# Altium PCB power2pix_pcb_v2.PcbDoc
Units mm, origin at the board's own origin, x right, y up, seen from the top; angles counter-clockwise.
Board outline 86.99 x 69.85 mm, 2 copper layers (Top Layer, Bottom Layer); 75 components, 37 nets, 190 pads, 29 vias.
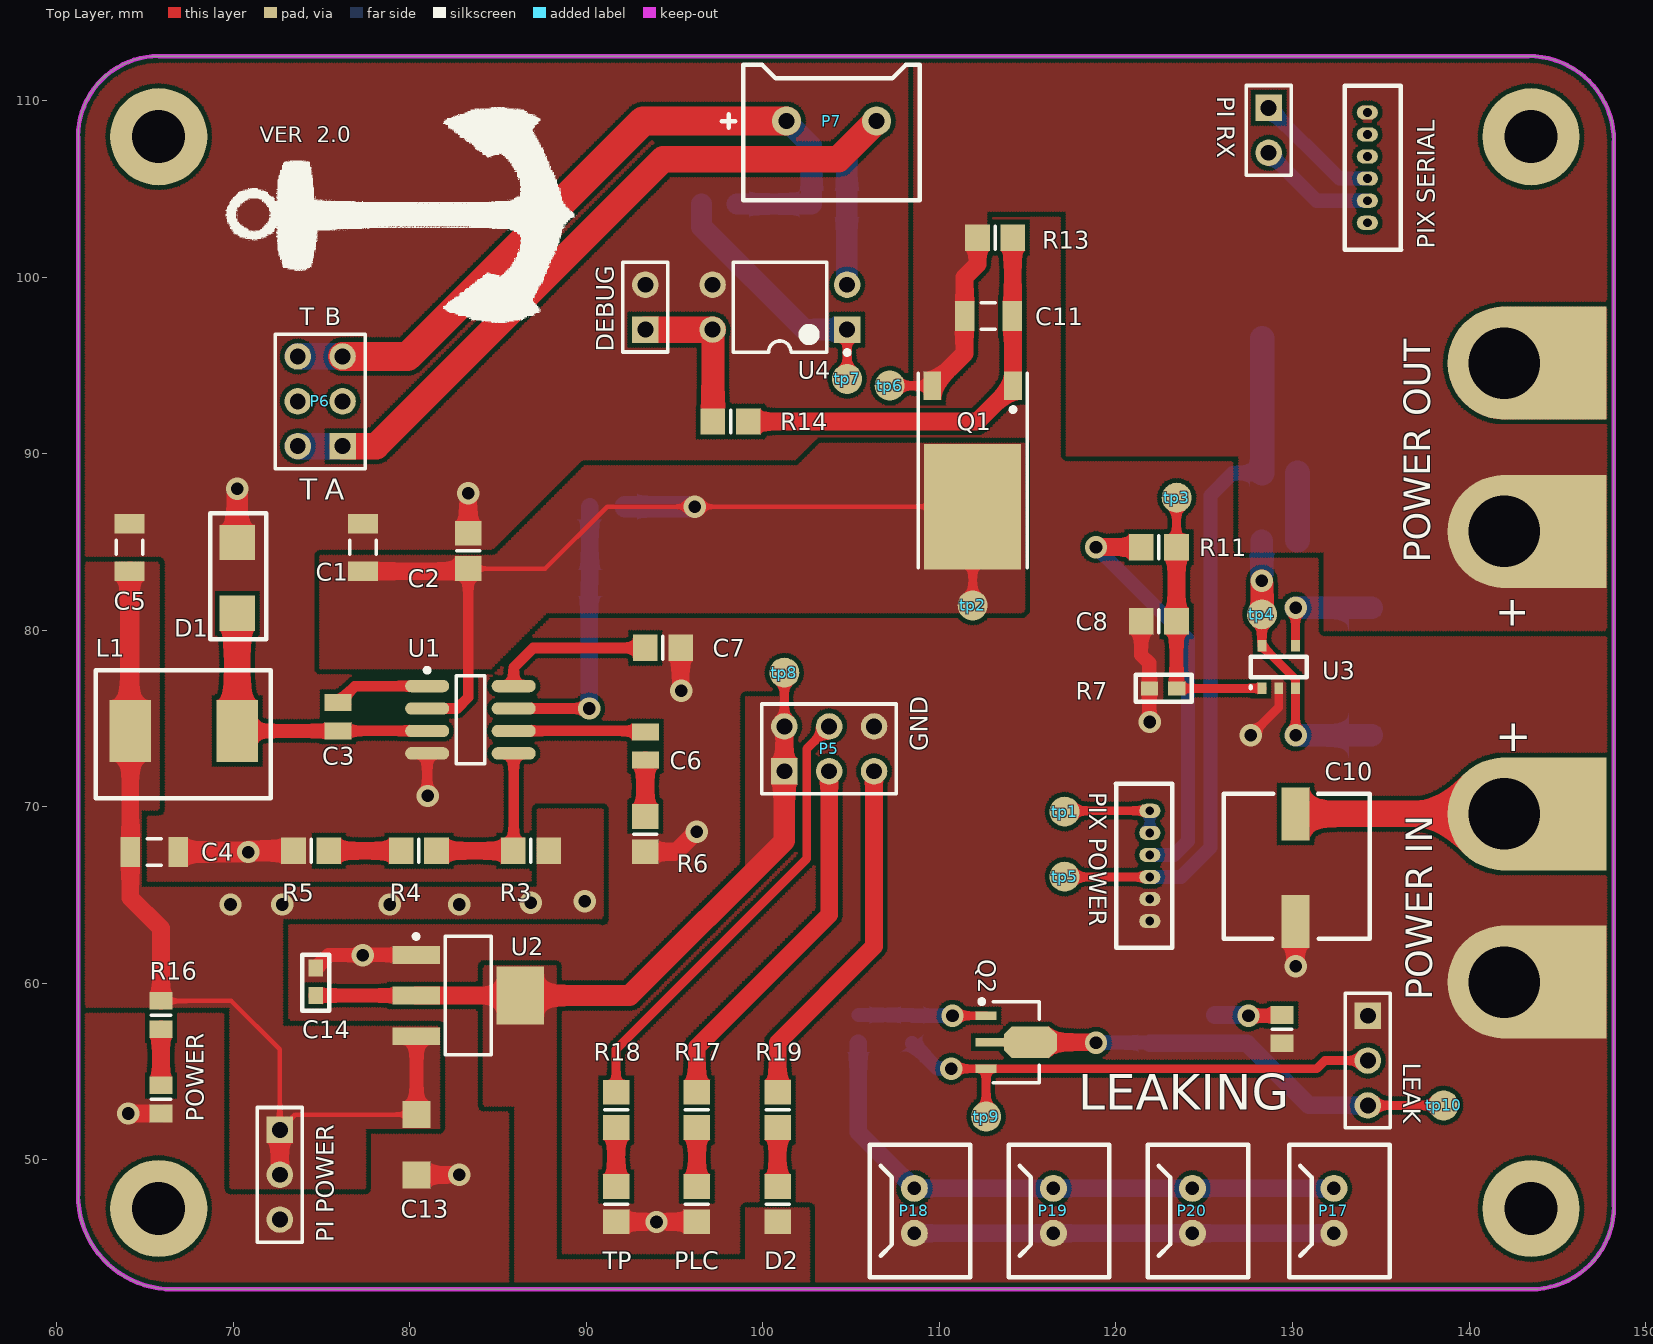
[diagram p0: Top Layer view]
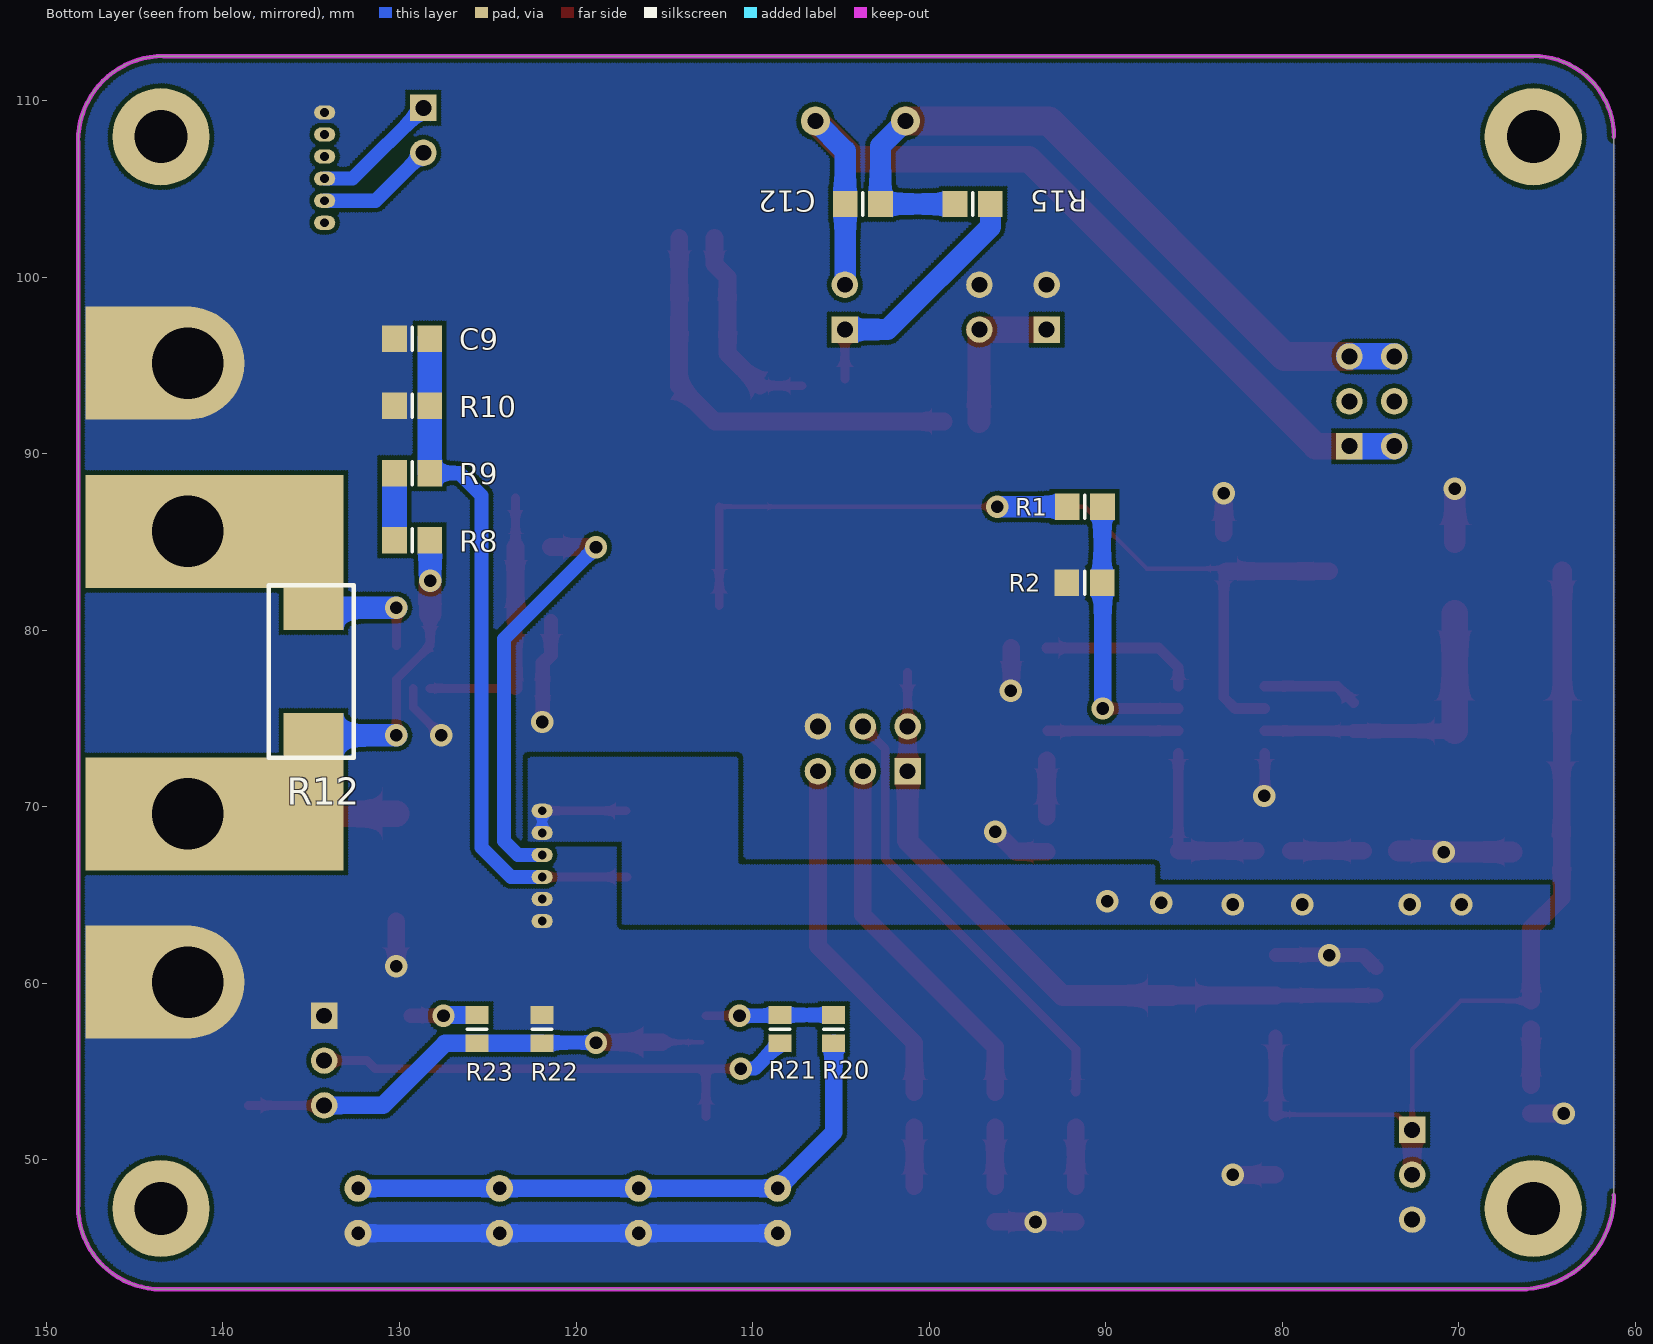
[diagram p1: Bottom Layer view, seen from below]

## Layer stack, top to bottom
Top Solder: solder mask 0.0102, Solder Resist, Dk 3.5
Top Layer: signal copper 0.0356
Dielectric 1: dielectric 0.32, FR-4, Dk 4.8
Bottom Layer: signal copper 0.0356
Bottom Solder: solder mask 0.0102, Solder Resist, Dk 3.5

## Board outline
61.214,48.006 61.214,107.95 cw(c65.786,107.95) 65.786,112.522 143.383,112.522 cw(c143.383,107.696) 148.209,107.696 148.209,47.371 cw(c143.51,47.371) 143.51,42.672 66.548,42.672 cw(c66.548,48.006)

## Design rules (kind name [scope] priority, off if disabled: settings)
Clearance [All] p1: gap=0.254
PolygonConnect [All] p1: connectstyle=Direct reliefconductorwidth=0.254 reliefentries=4 polygonreliefangle="90 Angle" airgapwidth=0.254
RoutingVias [All] p1: holewidth=0.711 width=1.27 viastyle="Through Hole" minholewidth=0.711 minwidth=1.27 maxholewidth=0.711 maxwidth=1.27
SolderMaskExpansion [All] p1: expansion=0.102
Width [All] p1: maxlimit=2 minlimit=0.254 preferedwidth=0.254
30 further rules are at their usual default settings.

## Classes and differential pairs
component class power2pix_v2: C1 C2 C3 C4 C5 C6 C7 C8 C9 C10 C11 C12 C13 C14 D1 L1 Power Q1 R1 R2 R3 R4 R5 R6 R7 R8 R9 R10 R11 R12 R13 R14 R15 R16 tp1 tp2 tp3 tp4 tp5 tp6 tp7 tp8 U1 U2 U3 U4
component class power2pix_leakmodule_v2: LEAK LEAKING P17 P18 P19 P20 Q2 R20 R21 R22 R23 tp9 tp10
component class power2pix_connector_v2: D2 DEBUG P5 P6 P7 "Pi Power" "PI RX" "Pix Power" "Pix Serial" PLC "Power In" "POWER OUT" "Power Output" R17 R18 R19 TP

## Components (designator, comment, footprint, x,y, rotation, side; value= is the part's Value field where it differs from the comment)
C1 "Cap" C1206 77.343,84.691 r270 top
C2 "Cap" 6-0805_M 83.312,84.491 r270 top
C3 "Cap" 0603 75.946,74.295 r90 top
C4 "Cap" C1206 65.532,67.437 r180 top
C5 "Cap" C1206 64.135,84.691 r270 top
C6 "Cap" 0603 93.345,72.644 r90 top
C7 "Cap" 6-0805_M 94.345,78.994 r180 top
C8 "Cap" 6-0805_M 122.428,80.518 r0 top
C9 "Cap" 6-0805_M 129.286,96.52 r180 bottom
C10 "Cap Pol2" 220UF-35V 130.175,69.596 r270 top
C11 "Cap" C1206 112.776,97.79 r0 top
C12 "Cap" 6-0805_M 103.759,104.14 r0 bottom
C13 "Cap" 1206 80.361,49.099 r90 top
C14 "Cap" my0603 74.676,60.864 r270 top
D1 "1n5824" 1N5824 70.231,84.963 r270 top
D2 "LED0" 6-0805_M 100.838,47.498 r90 top
DEBUG "Header 2" HDR1X2 93.345,97.028 r90 top
L1 "Inductor" 0630 70.231,74.295 r180 top
LEAK "Header 3" HDR1X3 134.266,58.166 r270 top
LEAKING "LED0" 6-0805_L 129.413,57.404 r270 top
P5 "Header 3X2" HDR2X3 101.219,72.011 r0 top locked
P6 "Header 3X2" HDR2X3 76.2,90.424 r90 top locked
P7 "Header 2" ConnectorBlue 106.446,108.839 r180 top
P17 "Header 2" headerX2 132.349,45.847 r90 top
P18 "Header 2" headerX2 108.585,45.847 r90 top
P19 "Header 2" headerX2 116.459,45.847 r90 top
P20 "Header 2" headerX2 124.333,45.847 r90 top
"PI POWER" "Header 3" HDR1X3 72.644,51.698 r270 top (schematic designator "Pi Power")
"PI RX" "Header 2" HDR1X2 128.651,109.581 r270 top
"PIX POWER" "Header 6" 1.25_6PIN 121.92,69.772 r270 top (schematic designator "Pix Power")
"PIX SERIAL" "Header 6" 1.25_6PIN 134.239,103.077 r90 top (schematic designator "Pix Serial")
PLC "LED0" 6-0805_M 96.266,47.498 r270 top
POWER "LED0" 6-0805_L 65.913,53.429 r270 top (schematic designator Power)
"POWER IN" "+" 1.25-4S 141.986,69.596 r270 top locked (schematic designator "Power In")
"POWER OUT" "+" 1.25-4S 141.986,85.598 r90 top locked (schematic designator "Power Output")
Q1 "IRFR5305" TO-252AA 111.887,90.42 r180 top
Q2 "PNP S8550" SOT89L 114.349,56.666 r0 top
R1 "Res2" 6-0805_M 91.186,86.995 r0 bottom
R2 "Res2" 6-0805_M 91.202,82.677 r180 bottom
R3 "Res2" 6-0805_M 86.868,67.503 r180 top
R4 "Res2" 6-0805_M 80.518,67.503 r0 top
R5 "Res2" 6-0805_M 74.422,67.503 r0 top
R6 "Res2" 6-0805_M 93.345,68.453 r90 top
R7 "Res2" my0603 121.889,76.708 r0 top
R8 "Res2" 6-0805_M 129.286,85.09 r180 bottom
R9 "Res2" 6-0805_M 129.286,88.9 r0 bottom
R10 "Res2" 6-0805_M 129.286,92.71 r180 bottom
R11 "Res2" 6-0805_M 122.428,84.709 r180 top
R12 "Res2" 2512 134.874,74.419 r90 bottom
R13 "Res2" 6-0805_M 113.157,102.235 r0 top
R14 "Res2" 6-0805_M 98.171,91.821 r180 top
R15 "Res2" 6-0805_M 97.536,104.14 r0 bottom
R16 "Res2" 6-0805_L 65.913,58.204 r90 top
R17 "Res2" 6-0805_M 96.266,52.832 r90 top
R18 "Res2" 6-0805_M 91.694,52.832 r90 top
R19 "Res2" 6-0805_M 100.838,52.832 r270 top
R20 "Res2" 6-0805_L 105.41,57.404 r270 bottom
R21 "Res2" 6-0805_L 108.458,57.404 r90 bottom
R22 "Res2" 6-0805_L 121.92,57.404 r90 bottom
R23 "Res2" 6-0805_L 125.603,57.404 r270 bottom
TP "LED0" 6-0805_M 91.694,47.498 r270 top
tp1 "tp" testpoint 117.094,69.723 r0 top
tp2 "tp" testpoint 111.887,81.407 r0 top
tp3 "tp" testpoint 123.444,87.503 r0 top
tp4 "tp" testpoint 128.27,80.899 r0 top
tp5 "tp" testpoint 117.094,66.04 r0 top
tp6 "tp" testpoint 107.188,93.853 r0 top
tp7 "tp" testpoint 104.775,94.234 r0 top
tp8 "tp" testpoint 101.219,77.597 r0 top
tp9 "tp" TestPoint 112.649,52.451 r0 top
tp10 "tp" TestPoint 138.557,53.086 r90 top
U1 "MP1593DN" SO8_M 83.439,74.93 r0 top
U2 "AMS1117-3.3" SOT223_M 83.312,59.309 r0 top
U3 "INA169" SOT23-5 130.17,76.708 r180 top
U4 "PC817" DIP-4 100.965,98.298 r180 top

## Footprints (in the part's own frame and the unit in brackets; to place one, negate y for a bottom-side part, rotate by r counter-clockwise, add the part's x,y. Pads: shape width x height; smd on the part's side, far side on the other; paste and mask are expansions set on the pad)
1.25-4S [mm]
  round 6.4 hole 4.05: 1(0,0) 2(9.525,0)
1.25_6PIN [mm]
  oval 0.8x1.2 hole 0.5: 1(0,0) 2(1.25,0) 3(2.5,0) 4(3.75,0) 5(5,0) 6(6.25,0)
  silkscreen extent -1.52,-1.93 7.75,1.27
1N5824 [mm]
  rect 2x2 smd: 1(0,0) 2(4,0)
  silkscreen extent -1.65,-1.52 5.46,1.65
6-0805_L [mm] "Chip Resistor, Body 2.0x1.2mm, IPC High Density"
  rect 1x1.3 smd: 1(-0.8,0) 2(0.8,0)
  silkscreen extent 0,-0.55 0,0.55, body extent -1.07,-0.7 1.07,0.7, height 0.7
6-0805_M [mm] "Chip Resistor, Body 2.0x1.2mm, IPC Low Density"
  rect 1.4x1.5 smd: 1(-1,0) 2(1,0)
  silkscreen extent 0,-0.65 0,0.65, body extent -1.07,-0.7 1.07,0.7, height 0.7
220UF-35V [mm]
  rect 3x1.6 smd: 1(0,0) 2(6.096,0)
  silkscreen extent -1.14,-4.06 7.06,4.19
0603 [mm]
  rect 0.965x1.524 smd: 1(0,0) 2(1.6,0)
0630 [mm]
  rect 2.35x3.5 smd: 1(0,0) 2(6.05,0)
  silkscreen extent -1.91,-3.43 8,3.81
1206 [mm]
  rect 1.52x1.6 smd: 1(0.05,-0.03) 2(3.47,-0.03)
2512 [mm]
  rect 1.8x3.4 smd: 1(0,0) 2(6.48,0)
  silkscreen extent -1.65,-2.29 8.13,2.54
C1206 [mm] "Chip Capacitor, Body 3.2x1.6mm, IPC High Density"
  rect 1.1x1.7 smd: 1(-1.35,0) 2(1.35,0)
  silkscreen extent -0.4,-0.75 0.4,0.75, body extent -1.7,-0.9 1.7,0.9, height 1.3
ConnectorBlue [mm]
  round 1.65 hole 0.9: 1(0,0) 2(5.1,0)
  silkscreen extent -2.45,-3.18 8.76,4.48
DIP-4 [mm] "DIP; 4 Leads; Row Spacing 7.62 mm; Pitch 2.54 mm"
  rect 1.5x1.5 hole 0.9: 1(-3.81,1.27)
  round 1.5 hole 0.9: 2(-3.81,-1.27) 3(3.81,-1.27) 4(3.81,1.27)
  silkscreen extent -3.94,-2.55 2.65,2.69, body extent -3.15,-2.5 3.15,2.5, height 5.6
HDR1X2 [mm] "Connector; Header; 2 Position"
  rect 1.5x1.5 hole 0.9: 1(0,0)
  round 1.5 hole 0.9: 2(2.54,0)
  silkscreen extent -1.27,-1.27 3.81,1.27
HDR1X3 [mm] "Connector; Header; 3 Position"
  rect 1.5x1.5 hole 0.9: 1(0,0)
  round 1.5 hole 0.9: 2(2.54,0) 3(5.08,0)
  silkscreen extent -1.27,-1.27 6.35,1.27
HDR2X3 [mm] "Connector; Header; 3x2 Position"
  rect 1.5x1.5 hole 0.9: 1(0,0)
  round 1.5 hole 0.9: 2(0,2.54) 3(2.54,0) 4(2.54,2.54) 5(5.08,0) 6(5.08,2.54)
  silkscreen extent -1.27,-1.27 6.35,3.81
headerX2 [mil]
  round 60 hole 30: 1(0,0) 2(100,0)
  silkscreen extent -98,-124 198,100
my0603 [mm]
  rect 0.965x0.8 smd: 1(0,0) 2(1.555,0)
  silkscreen extent -0.76,-0.76 2.41,0.76
SO8_M [mm] "SOIC, 8-Leads, Body 4.9x3.9mm, Pitch 1.27mm, IPC Low Density"
  oval 2.5x0.7 smd: 1(-2.45,1.905) 2(-2.45,0.635) 3(-2.45,-0.635) 4(-2.45,-1.905) 5(2.45,-1.905) 6(2.45,-0.635) 7(2.45,0.635) 8(2.45,1.905)
  silkscreen extent -2.57,-2.5 0.8,2.93, body extent -2,-2.5 2,2.5, height 1.75
SOT23-5 [mm]
  rect 0.5x0.65 smd: 1(1.9,0) 2(0.95,0) 3(0,0) 4(0,-2.413) 5(1.9,-2.413)
  silkscreen extent -0.63,-1.78 2.54,0
SOT89L [mm] "SOT89, 3-Leads, Body 4.5x2.4 mm, Pitch 1.5mm, Lead Span 4.1mm, IPC High Density"
  rect 1.2x0.5 smd: 1(-1.7,1.5) 3(-1.7,-1.5)
  rect 1.6x0.5 smd: 2(-1.5,0)
  oct 3x1.8 smd: 2(0.8,0)
  silkscreen extent -2.07,-2.3 1.3,2.42, body extent -1.3,-2.3 1.3,2.3, height 1.6
SOT223_M [mm] "SOT223, 4-Leads, Body 6.5x3.5mm, Pitch 2.3mm, Lead Span 7mm, IPC Low Density"
  rect 2.7x1 smd: 1(-2.95,2.3) 2(-2.95,0) 3(-2.95,-2.3)
  rect 2.7x3.3 smd: 4(2.95,0)
  silkscreen extent -3.07,-3.35 1.3,3.47, body extent -1.85,-3.35 1.85,3.35, height 1.7
testpoint [mm]
  round 1.7 smd: 1(0,0)
TestPoint [mm]
  round 1.7 smd: 1(0,0)
TO-252AA [mm] "D-PAK/TO-252-AA; 3 Leads (1 Cropped); Body 10.4 (inc. leads) x 6.7 mm (LxW max)"
  rect 1x1.6 smd: 1(-2.285,-3.425) 3(2.285,-3.425)
  rect 5.5x7.1 smd: 4(0,3.425)
  silkscreen extent -3.09,-4.13 3.09,6.88

## Part data
C1 C2 C3 C4 C5 C6 C7 C8 C9 C11 C12 C13 C14: "Capacitor"
C10: "Polarized Capacitor (Axial)"
D1: library part Diode, "Default Diode"
D2 LEAKING PLC POWER TP: "Typical INFRARED GaAs LED"
DEBUG P7 P17 P18 P19 P20 "PI RX": "Header, 2-Pin"
LEAK "PI POWER": "Header, 3-Pin"
P5 P6: "Header, 3-Pin, Dual row"
"PIX POWER" "PIX SERIAL": "Header, 6-Pin"
"POWER IN" "POWER OUT": library part "Header 2", "Header, 2-Pin"
Q1: library part PMOS-2, "P-Channel Power MOSFET"
Q2: library part PNP, "PNP Bipolar Transistor"
R1 R2 R3 R4 R5 R6 R7 R8 R9 R10 R11 R12 R13 R14 R15 R16 R17 R18 R19 R20 R21 R22 R23: "Resistor"
U4: library part Optoisolator1, "4-Pin Phototransistor Optocoupler"

## Free pads (board coordinates)
  round 5.5 hole 3: 0(143.51,107.95) 1(143.51,47.244) 2(65.786,107.95) 3(65.786,47.244)
  rect 6x6.4 smd: 4(144.78,95.123) 5(144.78,85.598) 6(144.78,69.596) 7(144.78,60.071)
  rect 6x6.4 smd far side: 8(144.78,95.123) 9(144.78,85.598) 10(144.78,69.596) 11(144.78,60.071)
  rect 3.4x7 smd far side: 12(134.874,84.836) 15(134.874,70.866)
  rect 9x6.4 smd far side: 13(137.668,85.598) 14(137.668,69.596)

## Via types
v1: diameter 1.27, hole 0.711, Top Layer to Bottom Layer, 29 vias

## Nets (pads, with @x,y where several pads share a name; then routed paths per layer and width w, separated by ;. In a path a pad name is that pad's centre, name@x,y a point inside that pad or via, vN(x,y) a via of type N, cw(c..) or ccw(c..) an arc to the next point about the centre after c; other vN are vias at no path point)
GND: "PI POWER.3" "PIX POWER.5" "PIX POWER.6" "PIX SERIAL.6" "POWER IN.2" "POWER OUT.2" C1.1 C2.1 C4.1 C5.1 C7.1 C8.1 C9.1 C10.2 C13.1 C14.1 D1.1 DEBUG.2 LEAK.1 LEAKING.2 P5.6 P17.1 P18.1 P19.1 P20.1 pad.4 pad.7 pad.8 pad.11 PLC.2 POWER.2 R2.1 R5.1 R6.1 R7.1 R10.1 R22.2 TP.2 U1.4 U2.1 U3.2 U4.3 | length 70.7
  Top Layer w0.254: C4.1@66.882,67.564 C4.1@67.009,67.437 ; v1(70.866,67.437) v1@70.932,67.503 ; R5.1@73.361,67.564 R5.1 ; v1(77.343,61.595) v1@77.357,61.609 ; v1@80.989,70.649 v1(81.026,70.612) ; TP.2 TP.2@91.71,46.482 ; v1@95.345,76.613 v1(95.377,76.581) ; v1@96.234,68.58 v1(96.266,68.58) ; v1@121.889,74.834 v1(121.92,74.803)
  Top Layer w0.5: v1(127.635,74.041) 129.22,75.626 U3.2
  Top Layer w0.6: v1@80.989,70.649 U1.4
  Top Layer w0.8: C14.1 75.407,61.595 v1(77.343,61.595) ; v1@77.357,61.609 U2.1 ; C8.1 121.428,78.597 121.889,78.136 R7.1 v1@121.889,74.834
  Top Layer w1: v1(64.059,52.629) POWER.2 ; C13.1 v1(82.804,49.149) ; C2.1 v1(83.312,87.757) ; TP.2 PLC.2 ; R6.1 95.107,67.453 v1@96.234,68.58 ; v1@95.345,76.613 C7.1 ; v1(130.175,60.96) C10.2
  Top Layer w1.2: C4.1@67.009,67.437 v1(70.866,67.437) ; D1.1 v1(70.231,88.011) ; v1@70.932,67.503 R5.1
  Bottom Layer w1: P18.1 P19.1 P20.1 P17.1
  other v1: 93.98,46.482
NetC1_2: C1.2 C2.2 Q1.4 R1.2 tp2.1 U1.2 | length 55.5
  Top Layer w0.254: C2.2@83.162,83.341 C2.2 87.682,83.491 91.186,86.995 v1(96.139,86.995) Q1.4
  Top Layer w0.5: tp2.1 Q1.4
  Top Layer w0.6: U1.2 82.677,75.565 83.312,76.2 C2.2
  Top Layer w1: C1.2 C2.2@83.162,83.341
  Bottom Layer w1.2: R1.2 v1(96.139,86.995)
NetC3_1: C3.1 D1.2 L1.1 U1.3 | length 17.4
  Top Layer w0.6: C3.1 U1.3
  Top Layer w0.8: L1.1 C3.1
  Top Layer w1.5: L1.1 D1.2
NetC3_2: C3.2 U1.1 | length 5.4
  Top Layer w0.6: C3.2 76.886,76.835 U1.1
NetC4_2: "PI POWER.1" "PI POWER.2" "PIX POWER.1" "PIX POWER.2" C4.2 C5.2 C13.2 L1.2 R3.1 R16.2 tp1.1 U2.3 | length 58.7
  Top Layer w0.254: L1.2@64.135,74.341 L1.2 ; C4.2@64.181,67.565 C4.2@64.182,67.564 ; R16.2 69.901,59.004 72.644,56.261 72.644,51.698 73.515,52.569 C13.2 ; U2.3 U2.3@80.391,56.98 ; tp1.1@117.094,69.85 tp1.1@117.172,69.772
  Top Layer w0.5: tp1.1@117.172,69.772 121.92,69.772
  Top Layer w0.8: C13.2 U2.3@80.391,56.98
  Top Layer w1: C4.2@64.181,67.565 L1.2 ; C4.2@64.182,67.564 C4.2 64.182,64.85 65.913,63.119 R16.2 ; 72.644,49.158 72.644,51.698
  Top Layer w1.1: L1.2@64.135,74.341 C5.2
  Bottom Layer w0.5: 121.92,68.522 121.92,69.772
  other v1: 69.85,64.465 72.771,64.465 78.867,64.465 82.804,64.465 86.868,64.554 89.916,64.643
NetC6_1: C6.1 R6.2 | length 3.2
  Top Layer w1: R6.2 C6.1
NetC6_2: C6.2 U1.6 | length 7.5
  Top Layer w0.254: C6.2@93.294,74.295 C6.2
  Top Layer w0.6: U1.6 C6.2@93.294,74.295
NetC7_2: C7.2 U1.8 | length 9
  Top Layer w0.6: U1.8 85.889,77.888 86.995,78.994 C7.2
NetC8_2: C8.2 R7.2 R11.1 tp3.1 U3.1 | length 15.6
  Top Layer w0.254: R7.2@123.428,76.724 R7.2 ; tp3.1@123.428,87.487 tp3.1
  Top Layer w0.5: R11.1 tp3.1@123.428,87.487 ; R7.2 U3.1
  Top Layer w0.8: R7.2@123.428,76.724 C8.2
  Top Layer w1: C8.2 R11.1
NetC9_2: "PIX POWER.4" C9.2 R9.1 R10.2 tp5.1 | length 40
  Top Layer w0.254: tp5.1 tp5.1@117.112,66.022
  Top Layer w0.5: tp5.1@117.112,66.022 121.92,66.022
  Bottom Layer w0.8: 121.92,66.022 123.68,66.022 125.349,67.691 125.349,87.63 126.619,88.9 R9.1
  Bottom Layer w1.4: R9.1 R10.2 C9.2
NetC10_1: "POWER IN.1" C10.1 pad.6 pad.10 pad.14 pad.15 R8.2 R12.1 tp4.1 U3.3 U3.5 | length 31.3
  Top Layer w0.254: v1@130.17,74.046 v1(130.175,74.041) ; pad.6@141.986,69.596 pad.6
  Top Layer w0.5: tp4.1 U3.5 130.17,77.221 U3.3 v1@130.17,74.046
  Top Layer w1.27: tp4.1 v1(128.27,82.804)
  Top Layer w1.5: C10.1 pad.6@141.986,69.596
  Bottom Layer w0.254: R8.2@128.27,85.074 R8.2 ; pad.15@134.496,74.041 R12.1
  Bottom Layer w1.27: v1(128.27,82.804) R8.2@128.27,85.074 ; v1(130.175,74.041) pad.15@134.496,74.041
NetC11_1: "POWER OUT.1" C11.1 pad.5 pad.9 pad.12 pad.13 Q1.3 R12.2 R13.1 tp6.1 U3.4 | length 18.9
  Top Layer w0.254: tp6.1 tp6.1@107.196,93.845 ; v1@130.17,81.275 v1(130.175,81.28)
  Top Layer w0.5: tp6.1@107.196,93.845 Q1.3 ; U3.4 v1@130.17,81.275
  Top Layer w1: Q1.3 111.426,95.669 C11.1 111.426,99.996 112.157,100.727 R13.1
  Bottom Layer w0.254: R12.2@134.493,81.28 R12.2
  Bottom Layer w1.27: v1(130.175,81.28) R12.2@134.493,81.28
NetC11_2: C11.2 Q1.1 R13.2 R14.1 | length 24.3
  Top Layer w0.254: C11.2 C11.2@114.157,97.821 ; C11.2@114.172,97.709 C11.2@114.284,97.821
  Top Layer w1: R14.1 112.148,91.821 Q1.1 C11.2@114.172,97.709 ; C11.2@114.157,97.821 R13.2
NetC14_2: C14.2 D2.1 P5.1 P5.2 tp8.1 U2.2 U2.4 | length 39.7
  Top Layer w0.5: P5.2 tp8.1
  Top Layer w0.8: C14.2 U2.2
  Top Layer w1: U2.2 U2.4 ; P5.1 P5.2
  Top Layer w1.2: U2.4 92.456,59.309 101.219,68.072 P5.1
NetD2_2: D2.2 R19.2 | length 3.3
  Top Layer w1: D2.2 R19.2
NetDEBUG_1: DEBUG.1 R14.2 U4.4 | length 9
  Top Layer w0.254: U4.4 U4.4@97.171,97.012
  Top Layer w1.3: R14.2 U4.4@97.171,97.012
  Top Layer w1.5: DEBUG.1 U4.4
NetLEAKING_1: LEAKING.1 R23.1 | length 3.8
  Top Layer w0.254: LEAKING.1@129.375,58.166 LEAKING.1
  Top Layer w0.8: v1(127.508,58.166) LEAKING.1@129.375,58.166
  Bottom Layer w0.254: v1@127.47,58.204 v1(127.508,58.166)
  Bottom Layer w1: R23.1 v1@127.47,58.204
NetP5_5: P5.5 R19.1 | length 20.6
  Top Layer w0.254: R19.1@100.711,53.959 R19.1
  Top Layer w1: R19.1 100.838,56.642 106.299,62.103 P5.5
"NetPI RX_1": "PI RX.1" "PIX SERIAL.3" | length 7.2
  Bottom Layer w0.8: 128.651,109.581 132.655,105.577 134.239,105.577
"NetPI RX_2": "PI RX.2" "PIX SERIAL.2" | length 6.7
  Bottom Layer w0.8: 128.651,107.041 131.365,104.327 134.239,104.327
"NetPix Power_3": "PIX POWER.3" R11.2 | length 23.8
  Top Layer w1: v1(118.872,84.709) R11.2
  Bottom Layer w0.8: v1(118.872,84.709) 124.079,79.502 124.079,68.072 123.279,67.272 121.92,67.272
NetPLC_1: PLC.1 R17.1 | length 3.3
  Top Layer w1: PLC.1 R17.1
NetPower_1: POWER.1 R16.1 | length 3.2
  Top Layer w1: POWER.1 R16.1
NetQ2_1: Q2.1 R20.1 R21.2 | length 7.3
  Top Layer w0.5: v1(110.744,58.166) Q2.1
  Bottom Layer w0.254: R21.2 R21.2@108.496,58.166
  Bottom Layer w0.8: R20.1 R21.2 ; R21.2@108.496,58.166 v1(110.744,58.166)
NetR1_1: R1.1 R2.2 U1.7 | length 15.7
  Top Layer w0.6: U1.7 v1(90.17,75.565)
  Bottom Layer w0.254: R2.2@90.17,82.645 R2.2 ; R1.1 R1.1@90.202,86.979
  Bottom Layer w1: v1(90.17,75.565) R2.2@90.17,82.645 ; R2.2 R1.1@90.202,86.979
NetR3_2: R3.2 R4.2 U1.5 | length 9.9
  Top Layer w0.254: R3.2 R3.2@85.889,67.524
  Top Layer w0.6: R3.2@85.889,67.524 U1.5
  Top Layer w1: R4.2 R3.2
NetR4_1: R4.1 R5.2 | length 4.1
  Top Layer w1: R5.2 R4.1
NetR8_1: R8.1 R9.2 | length 3.8
  Bottom Layer w1.4: R8.1 R9.2
NetR15_1: R15.1 tp7.1 U4.1 | length 14.7
  Top Layer w0.5: tp7.1 U4.1
  Bottom Layer w1.2: R15.1 96.536,102.854 102.362,97.028 U4.1
NetR18_1: R18.1 TP.1 | length 3.3
  Top Layer w1: TP.1 R18.1
PIX_POWER: LEAK.2 Q2.3 R21.1 tp9.1 | length 29.3
  Top Layer w0.5: v1(110.665,55.166) Q2.3 ; tp9.1 Q2.3 ; LEAK.2 131.826,55.626 131.366,55.166 Q2.3
  Bottom Layer w0.8: R21.1 109.896,55.166 v1(110.665,55.166)
PIX_SIGNAL: LEAK.3 Q2.2 R22.1 R23.2 tp10.1 | length 27.2
  Top Layer w0.254: Q2.2@112.849,56.666 Q2.2@115.149,56.666 ; v1@118.848,56.666 v1(118.872,56.642)
  Top Layer w0.5: LEAK.3 tp10.1
  Top Layer w1: Q2.2@115.149,56.666 v1@118.848,56.666
  Bottom Layer w0.254: R22.1@121.882,56.642 R22.1
  Bottom Layer w0.8: v1(118.872,56.642) R22.1@121.882,56.642
  Bottom Layer w1: R22.1 R23.2 127.419,56.604 130.937,53.086 LEAK.3
PLC: P5.3 R17.2 | length 21.3
  Top Layer w0.254: 96.266,56.388 96.393,56.515
  Top Layer w1: R17.2 96.266,56.388 ; 96.393,56.515 103.759,63.881 P5.3
PROBE: P17.2 P18.2 P19.2 P20.2 R20.2 | length 33.3
  Bottom Layer w1: R20.2 105.41,51.562 P18.2 P19.2 P20.2 P17.2
T_A: C12.2 P6.1 P6.2 P7.1 U4.2 | length 50.4
  Top Layer w1.5: P6.1 78.105,90.424 94.361,106.68 104.287,106.68 P7.1
  Bottom Layer w0.254: U4.2@104.759,99.584 U4.2
  Bottom Layer w1.2: U4.2@104.759,99.584 C12.2 104.759,107.152 P7.1
  Bottom Layer w1.5: P6.2 P6.1
T_B: C12.1 P6.5 P6.6 P7.2 R15.2 | length 42.7
  Top Layer w1.65: P6.5 79.883,95.504 93.218,108.839 P7.2
  Bottom Layer w1.2: R15.2 C12.1 102.759,107.426 P7.2
  Bottom Layer w1.5: P6.6 P6.5
TP: P5.4 R18.2 | length 25.8
  Top Layer w0.254: R18.2 R18.2@91.71,53.848 ; P5.4@103.759,74.549 P5.4
  Top Layer w0.5: R18.2 91.694,56.261 102.489,67.056 102.489,73.279 P5.4@103.759,74.549 ; R18.2@91.71,53.848 R18.2@91.757,53.896
pads on no net: "PIX SERIAL.1" "PIX SERIAL.4" "PIX SERIAL.5" P6.3 P6.4

## Polygon pours and split planes (outlines as drawn)
NetC1_2 on Top Layer "top_NETC1_2-1" (hatched 90Degree grid 0 track 0.152, remove dead copper, pour order 2): 109.093,90.551 103.251,90.551 101.981,89.281 95.377,89.281 89.916,89.281 84.836,84.201 74.93,84.201 74.93,77.851 84.582,77.851 87.757,81.026 111.506,81.026 114.681,81.026 114.808,81.153 114.808,90.551 109.093,90.551
NetC11_1 on Top Layer "top_NETC11_1-1" (hatched 90Degree grid 0 track 0.152, remove dead copper, pour order 6): 148.209,80.01 131.826,80.01 131.826,84.455 127.127,84.455 127,84.582 127,89.916 117.221,89.916 117.221,112.522 140.589,112.522 148.209,112.522 148.209,80.01
NetC11_1 on Top Layer "top_NETC11_1-2" (hatched 90Degree grid 0 track 0.152, remove dead copper, pour order 8): 117.475,112.522 108.585,112.522 108.585,93.599 109.855,93.599 111.633,95.377 111.633,100.203 112.395,100.965 112.649,101.219 112.649,103.759 116.078,103.759 117.45,103.759 117.475,103.784 117.475,112.522
NetC4_2 on Top Layer "top_NETC4_2-1" (hatched 90Degree grid 0 track 0.152, remove dead copper, pour order 12): 61.214,83.82 65.786,83.82 65.786,69.85 64.77,69.85 64.77,65.405 69.85,65.405 69.85,58.674 61.214,58.674 61.214,83.82
NetC4_2 on Top Layer "top_NETC4_2-2" (hatched 90Degree grid 0 track 0.152, remove dead copper, pour order 14): 80.391,57.531 72.771,57.531 72.771,65.405 69.85,65.405 69.85,48.387 77.47,48.387 77.47,51.816 81.661,51.816 81.661,57.531 80.391,57.531
NetC4_2 on Top Layer "top_NETC4_2-3" (hatched 90Degree grid 0 track 0.152, remove dead copper, pour order 16): 87.249,69.85 87.249,65.405 72.771,65.405 72.771,63.856 72.771,63.703 90.856,63.703 90.932,63.627 90.932,69.85 87.249,69.85
NetC14_2 on Top Layer "top_NETC14_2-1" (hatched 90Degree grid 0 track 0.152, remove dead copper, pour order 20): 102.616,47.244 99.06,47.244 99.06,44.323 88.265,44.323 88.265,45.085 88.265,60.96 84.201,60.96 84.201,53.086 85.979,53.086 85.979,42.672 87.376,42.672 101.981,42.672 102.616,42.672 102.616,47.244
NetC14_2 on Top Layer "top_NETC14_2-2" (hatched 90Degree grid 0 track 0.152, remove dead copper, pour order 24): 101.219,68.072 99.06,65.913 99.06,74.93 99.06,76.2 101.219,76.2 101.219,68.072
GND on Top Layer "top_gnd" (hatched 90Degree grid 0 track 0.152, remove dead copper, pour order 28): 65.405,112.522 67.056,112.522 146.939,112.522 148.209,112.522 148.209,107.569 148.209,42.672 142.748,42.672 66.802,42.672 61.341,42.672 61.214,42.672 61.214,48.006 61.214,111.887 61.214,112.522 65.405,112.522
NetC4_2 on Bottom Layer "bottom_NETC4_2-1" (hatched 90Degree grid 0 track 0.152, remove dead copper, pour order 18): 122.682,68.072 122.682,72.771 110.871,72.771 110.871,71.628 110.871,66.802 110.744,66.675 107.823,66.675 87.249,66.675 87.249,65.532 64.897,65.532 64.897,63.373 93.218,63.373 109.22,63.373 117.348,63.373 117.348,66.929 117.348,68.072 122.682,68.072
GND on Bottom Layer "bottom_gnd" (hatched 90Degree grid 0 track 0.152, remove dead copper, pour order 26): 65.405,112.522 67.31,112.522 148.209,112.522 148.209,107.061 148.209,42.672 143.256,42.672 66.929,42.672 61.341,42.672 61.341,47.879 61.214,48.006 61.214,112.522 65.405,112.522

## Keep-outs
Top Layer:
  lines w0.254: 61.214,48.006 61.214,107.95
Keep-Out Layer:
  lines w0.254: 61.214,48.006 ccw(c66.548,48.006) 66.548,42.672 143.51,42.672 ccw(c143.51,47.371) 148.209,47.371 148.209,107.696 ccw(c143.383,107.696) 143.383,112.522 65.786,112.522 ccw(c65.786,107.95) 61.214,107.95

## Silkscreen, mask and mechanical layers (free items; w line width, h text height)
Top Overlay:
  drawing of 8075 lines, arcs and shapes, not listed
  text "VER  2.0" at 71.501,107.315 h1.52

## Text inside footprints (layer, text, board x,y; h text height)
P5: Top Overlay "GND" at 109.347,73.152 h1 r90
P6: Top Overlay "T" at 73.787,97.282 h1; Top Overlay "B" at 75.184,97.282 h1; Top Overlay "T" at 73.787,87.376 h1.2; Top Overlay "A" at 75.184,87.376 h1.2